# Altium PCB ECSE478 - DAQ Device.PcbDoc (part 2 of 4)
Units mil, origin at the board's own origin, x right, y up, seen from the top; angles counter-clockwise.
Board outline 8325 x 4500 mil, 4 copper layers (L1 (Sig), L2 (GND), L3 (GND), L4 (Sig)), stack 23.756 mil thick; 560 components, 359 nets, 1613 pads, 965 vias.
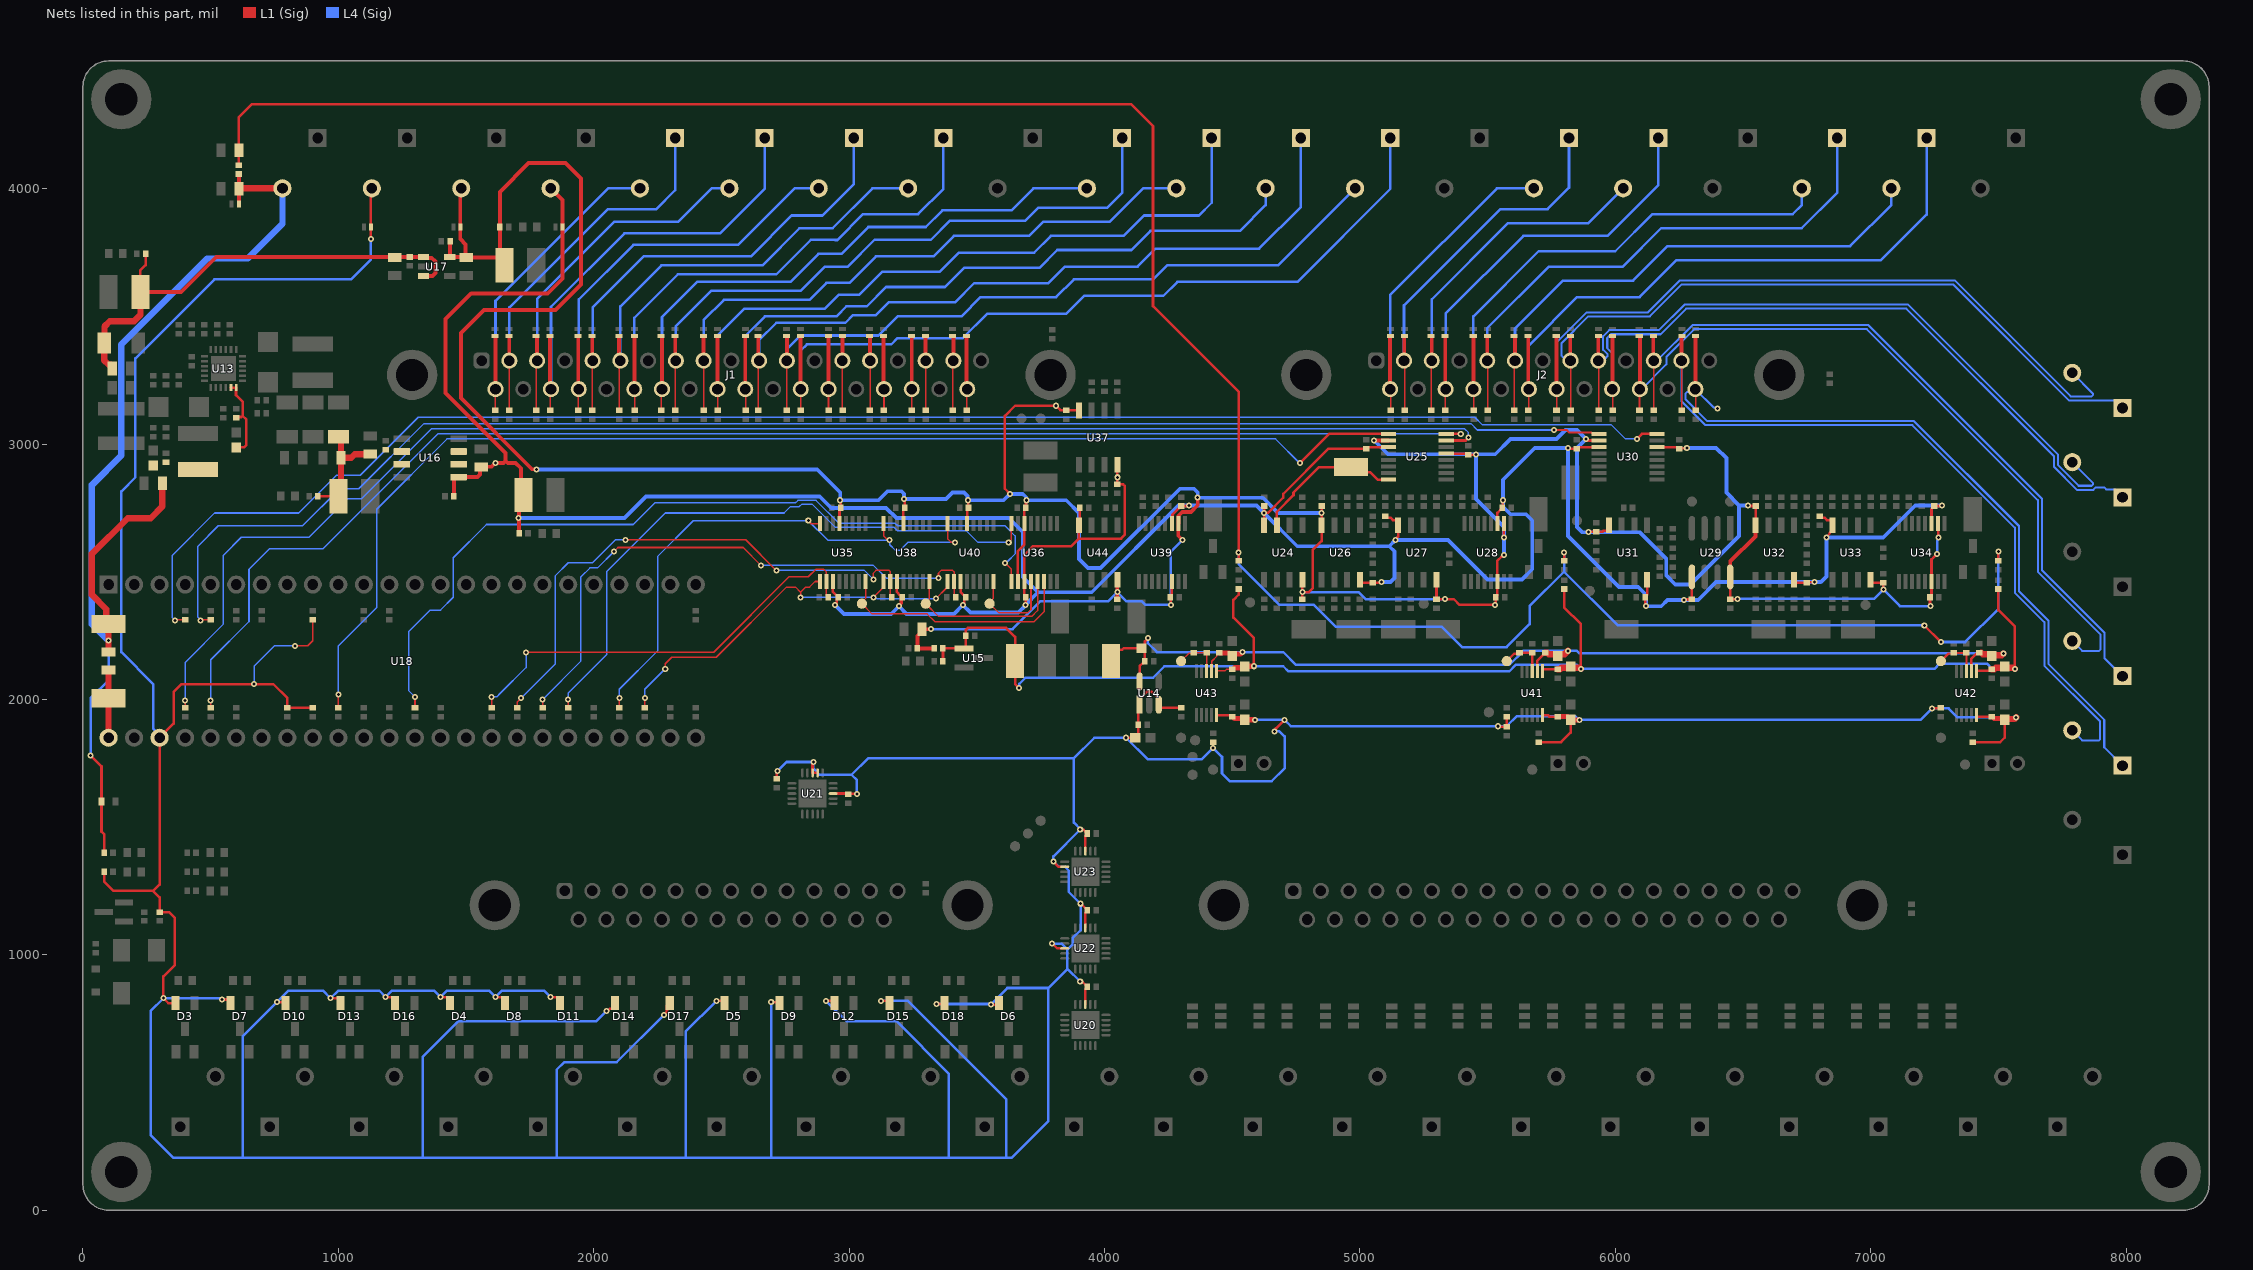
[diagram p4: the nets of this part, all layers, seen from the top]

## Part data
C1 C2 C3 C4 C5 C6 C7 C8 C9 C10 C11 C12 C13 C14 C15 C16 C17 C18 C19 C20 C21 C22 C23 C24 C25 C26 C27 C28 C29 C30 C31 C32 C33 C34 C35 C36 C37 C38 C39 C40 C41 C42 C43 C44 C45 C46 C47 C48 C49 C50 C51 C52 C53 C54 C55 C56 C57 C58 C59 C60 C61 C62 C63 C64 C65 C66 C67 C68 C69 C70 C71 C72 C73 C74 C75 C76 C77 C78 C79 C80 C81 C82 C83 C84 C85 C86 C87 C88 C89 C90 C91 C92 C93 C94 C95 C96 C97 C98 C99 C100 C101 C102 C103 C104 C105 C106 C107 C108 C109 C110 C111 C112 C113 C114: library part Cap, "Capacitor", LatestRevisionDate=17-Jul-2002, LatestRevisionNote="Re-released for DXP Platform.", PackageDescription="Radial Cap, Thru-Hole; 2 Leads; 0.3 in Pin Spacing", PackageReference=RAD-0.3, Published=8-Jun-2000, Publisher="Altium Limited"
D1 D2: library part "Schottky Diode", "Generic Schottky Diode"
D3 D4 D5 D6 D7 D8 D9 D10 D11 D12 D13 D14 D15 D16 D17 D18 D26 D27 D28: library part "Schottky Diode Array BAT54S", "Rectifier Diode Small Signal Schottky 40V 0.3A 5ns 3-Pin SOT-23 T/R", Average Rectified Current=300mA, Case/Package=SOT-23, Forward Voltage=900mV, Manufacturer=STMicroelectronics, Manufacturer Part Number=BAT54SFILM, Max Forward Surge Current (Ifsm)=1A, Max Operating Temperature=150°C, Max Repetitive Reverse Voltage (Vrrm)=40V, Max Reverse Current=100uA, Max Reverse Leakage Current=1uA, Min Operating Temperature=-40°C, Package Quantity=3000, Supplier Part Number 1=497-2522-1-ND, Voltage Rating (DC)=30V, Category="Rectifier Diodes", ComponentLink1Description=https://datasheet.ciiva.com/1200/1689724-1200683.pdf?src-supplier=Farnell, ComponentLink1URL=https://datasheet.ciiva.com/1200/1689724-1200683.pdf?src-supplier=Farnell, ComponentLink2Description=https://datasheet.ciiva.com/1177/1689724-1177974.pdf?src-supplier=Element14, ComponentLink2URL=https://datasheet.ciiva.com/1177/1689724-1177974.pdf?src-supplier=Element14, ComponentLink3Description=https://datasheet.ciiva.com/1200/cd00001322-1200682.pdf?src-supplier=Farnell, ComponentLink3URL=https://datasheet.ciiva.com/1200/cd00001322-1200682.pdf?src-supplier=Farnell, ComponentLink4Description=https://datasheet.ciiva.com/14168/cd00001322-14168028.pdf?src-supplier=Distrelec, ComponentLink4URL=https://datasheet.ciiva.com/14168/cd00001322-14168028.pdf?src-supplier=Distrelec, ComponentLink5Description=https://datasheet.ciiva.com/905/cd00001322-905882.pdf?src-supplier=Digi-Key, ComponentLink5URL=https://datasheet.ciiva.com/905/cd00001322-905882.pdf?src-supplier=Digi-Key, ComponentLink6Description=https://datasheet.ciiva.com/905/cd00001322-905881.pdf?src-supplier=Digi-Key, ComponentLink6URL=https://datasheet.ciiva.com/905/cd00001322-905881.pdf?src-supplier=Digi-Key, ComponentLink7Description=https://datasheet.ciiva.com/905/cd00001322-905883.pdf?src-supplier=Digi-Key, ComponentLink7URL=https://datasheet.ciiva.com/905/cd00001322-905883.pdf?src-supplier=Digi-Key, ComponentLink8Description=https://datasheet.ciiva.com/1177/1689724-1177973.pdf?src-supplier=Element14, ComponentLink8URL=https://datasheet.ciiva.com/1177/1689724-1177973.pdf?src-supplier=Element14, Current Rating=300mA, Element Configuration=Single, Forward Current=300mA, Height=0.95mm, Lead Free="Lead Free", Length=2.9mm, Max Reverse Voltage (DC)=40V, Max Surge Current=1A, Mount="Surface Mount", Number of Pins=3, Packaging="Tape and Reel", Peak Non-Repetitive Surge Current=1A, Pricing 1="1=0.34000, 10=0.27800, 100=0.14730, 500=0.09694, 1000=0.06592 (USD)", Radiation Hardening=No, REACH SVHC="No SVHC", Recovery Time=5ns, Reverse Recovery Time=5ns, RoHS=Yes, RoHS Compliant=Yes, Stock 1=2760, Supplier 1=Digi-Key, Termination=SMD/SMT, Weight=0.1lb, Width=3.05mm
D19 D20 D21 D22 D23 D25 D30 D31 D32: "Generic Green LED"
D24: "Generic Red LED"
D29: library part "Diode Schottky", "Generic Schottky Diode"
D33 D34 D35 D36 D37 D38 D39 D40 D41 D42 D43 D44 D45 D46 D47 D48 D49 D50 D51 D52 D53 D54 D55 D56 D57 D58 D59 D60 D61 D62 D63 D64 D65 D66 D67 D68 D69 D70 D71 D72 D73 D74 D75 D76: library part "Diode Zener Bidirectional", "Bidirectional Zener diode"
F1: library part "Fuse Thermal", "Thermal Fuse", LatestRevisionDate=17-Jul-2002, LatestRevisionNote="Re-released for DXP Platform.", PackageDescription="Thru-Hole; 2 Leads", PackageReference=PIN-W2/E2.8, Published=24-Mar-1999, Publisher="Altium Limited"
H1 H2 H3 H4: library part Hole
J1 J3: library part "Connector DB37 (LD37S24A4GV00LF)", "DB37 LD37S24A4GV00LF (Amphenol ICC)"
J2 J4: library part "Connector DB25 (LD25S24A4GV00LF)", "DB25 LD25S24A4GV00LF (Amphenol ICC)"
L1 L2: library part Inductor, "4.7uH  BWVS005050404R7M00", Code_IEC=1005, Code_JEITA=0402, LatestRevisionDate=29-May-2009, LatestRevisionNote="IPC-7351 Footprint Added.", PackageDescription="Chip Inductor", PackageReference=0402-A, Published=8-Jun-2000, Publisher="Altium Limited"
LS1: library part "Buzzer HNB09A05", "CMT-9648-85T / Magnetic buzzer"
P1 P2 P3 P4 P5 P6 P7 P8 P9 P10 P11 P12 P13 P14 P15 P16 P17 P18 P19 P20 P21 P22 P23 P24 P25 P26 P27 P28 P29 P30 P31 P32 P33 P34 P35 P36 P37 P38 P39 P40 P41 P42 P43 P44 P45 P46 P47 P48 P49 P50 P51: library part "Header 2", "Header, 2-Pin", LatestRevisionDate=17-Jul-2002, LatestRevisionNote="Re-released for DXP Platform.", Publisher="Altium Limited"
R1 R2 R3 R4 R5 R6 R7 R8 R9 R10 R11 R12 R13 R14 R15 R16 R17 R18 R19 R20 R21 R54 R55 R56 R57 R58 R59 R60 R61 R62 R63 R64 R65 R66 R67 R68 R69 R70 R71 R72 R73 R74 R75 R76 R77 R78 R79 R80 R81 R82 R83 R84 R85 R86 R87 R88 R89 R90 R91 R92 R93 R94 R95 R96 R97 R98 R99 R100 R101 R102 R103 R104 R105 R106 R107 R108 R109 R110 R111 R112 R113 R114 R115 R116 R117 R118 R119 R120 R121 R122 R123 R125 R126 R127 R128 R129 R130 R131 R132 R133 R134 R135 R136 R137 R138 R139 R140 R141 R142 R143 R144 R145 R146 R147 R148 R149 R150 R151 R152 R153 R154 R155 R156 R157 R158 R159 R160 R161 R162 R163 R164 R165 R166 R167 R168 R169 R170 R171 R172 R173 R174 R175 R176 R177 R178 R179 R180 R181 R182 R183 R184 R185 R186 R187 R188 R189 R190 R191 R192 R193 R194 R195 R196 R197 R198 R199 R200 R201 R202 R203 R204 R205: library part Res1, "Resistor", LatestRevisionDate=17-Jul-2002, LatestRevisionNote="Re-released for DXP Platform.", PackageDescription="Axial Device, Thru-Hole; 2 Leads; 0.3 in Pin Spacing", PackageReference=AXIAL-0.3, Published=8-Jun-2000, Publisher="Altium Limited"
R22 R23 R24 R25 R26 R27 R28 R29 R30 R31 R32 R33 R34 R35 R36 R37 R38 R39 R40 R41 R42 R43 R44 R45 R46 R47 R48 R49 R50 R51 R52 R53: library part Res1, LatestRevisionDate=17-Jul-2002, LatestRevisionNote="Re-released for DXP Platform.", PackageDescription="Axial Device, Thru-Hole; 2 Leads; 0.3 in Pin Spacing", PackageReference=AXIAL-0.3, Published=8-Jun-2000, Publisher="Altium Limited"
R124: library part Resistor, "Generic resistor", Tolerance=1%
TP1 TP2 TP3 TP4 TP7 TP8 TP10 TP11 TP15 TP16 TP18 TP19 TP24 TP25 TP26 TP28 TP31 TP33 TP34 TP35 TP36 TP37 TP39 TP42 TP43 TP44 TP51 TP53 TP54 TP55 TP58: "Keystone 5015 Test point"
TP5 TP6 TP9 TP12 TP13 TP14 TP17 TP20 TP21 TP22 TP23 TP27 TP29 TP30 TP32 TP38 TP40 TP41 TP45 TP46 TP47 TP48 TP49 TP50 TP52 TP56 TP57: "SMD Pad test point"
U1 U2 U3 U4 U5 U6 U7 U8 U9 U10 U11 U12: library part "Relay Driver Dual NUD3160DMT1G", "IC INDCT LOAD DRVR INDUST SC74-6", Case/Package=SC, Continuous Drain Current (ID)=150mA, Current Rating=263mA, Drain To Source Breakdown Voltage=60V, Drain To Source Resistance=1.8R, Gate to Source Voltage (Vgs)=12V, Manufacturer="ON Semiconductor", Max Operating Temperature=125°C, Min Operating Temperature=-40°C, On-State Resistance=3.7R, Output Current=200mA, Output Voltage=61V, Package Quantity=3000, Power Dissipation=380mW, Category="Hot Swap Controllers", ComponentLink1Description=https://datasheet.ciiva.com/1955/nud3160-d-1955024.pdf?src-supplier=Digi-Key, ComponentLink1URL=https://datasheet.ciiva.com/1955/nud3160-d-1955024.pdf?src-supplier=Digi-Key, ComponentLink2Description=https://datasheet.ciiva.com/1609/1786838-1609180.pdf?src-supplier=Newark, ComponentLink2URL=https://datasheet.ciiva.com/1609/1786838-1609180.pdf?src-supplier=Newark, ComponentLink3Description=https://datasheet.ciiva.com/8114/nud3160-d-8114970.pdf?src-supplier=Avnet, ComponentLink3URL=https://datasheet.ciiva.com/8114/nud3160-d-8114970.pdf?src-supplier=Avnet, ComponentLink4Description=https://datasheet.ciiva.com/11168/nud3160-d-11168234.pdf?src-supplier=Avnet, ComponentLink4URL=https://datasheet.ciiva.com/11168/nud3160-d-11168234.pdf?src-supplier=Avnet, ComponentLink5Description=https://datasheet.ciiva.com/1955/nud3160-d-1955025.pdf?src-supplier=Digi-Key, ComponentLink5URL=https://datasheet.ciiva.com/1955/nud3160-d-1955025.pdf?src-supplier=Digi-Key, ComponentLink6Description=https://datasheet.ciiva.com/1955/nud3160-d-1955026.pdf?src-supplier=Digi-Key, ComponentLink6URL=https://datasheet.ciiva.com/1955/nud3160-d-1955026.pdf?src-supplier=Digi-Key, Contact Plating=Tin,Matte, Drain to Source Voltage (Vdss)=60V, Element Configuration=Dual, Fall Time=600ns, Halogen Free="Halogen Free", Height=0.94mm, Interface=On/Off, Lead Free="Lead Free", Length=3mm, Manufacturer Part Number=NUD3160DMT1G, Max Output Current=150mA, Max Supply Voltage=60V, Mount="Surface Mount", Number of Elements=2, Number of Outputs=2, Number of Pins=6, Output Configuration="Low Side", Packaging="Tape and Reel", Pricing 1="1=0.44430, 10=0.32460, 25=0.32120 (USD)", Radiation Hardening=No, REACH SVHC="No SVHC", Rise Time=600ns, RoHS=Yes, RoHS Compliant=Yes, Stock 1=33, Supplier 1="Arrow Electronics", Supplier Part Number 1=NUD3160DMT1G, Width=1.5mm
U13: library part "Dual Boost TPS65131RGER", "IC REG BUCK BST INV ADJ DL 24QFN", Case/Package="VQFN EP", Manufacturer="Texas Instruments", Max Input Voltage=5.5V, Max Operating Temperature=85°C, Max Output Voltage=15V, Min Input Voltage=2.7V, Min Operating Temperature=-40°C, Min Output Voltage=-15V, Output Current=1.95A, Package Quantity=3000, Quiescent Current=500uA, Supplier Part Number 1=296-41760-1-ND, Switching Frequency=1.4MHz, Category="Voltage Regulators - Switching", ComponentLink1Description=https://datasheet.ciiva.com/4119/40762122s8213930n7713-4119696.pdf?src-supplier=Arrow+Electronics, ComponentLink1URL=https://datasheet.ciiva.com/4119/40762122s8213930n7713-4119696.pdf?src-supplier=Arrow+Electronics, ComponentLink2Description=https://datasheet.ciiva.com/14378/tps65130-14378346.pdf?src-supplier=Avnet, ComponentLink2URL=https://datasheet.ciiva.com/14378/tps65130-14378346.pdf?src-supplier=Avnet, ComponentLink3Description=https://datasheet.ciiva.com/15223/getdatasheetpartid-254483-15223079.pdf?src-supplier=Verical, ComponentLink3URL=https://datasheet.ciiva.com/15223/getdatasheetpartid-254483-15223079.pdf?src-supplier=Verical, ComponentLink4Description=https://datasheet.ciiva.com/2035/tps65130-2035332.pdf?src-supplier=Digi-Key, ComponentLink4URL=https://datasheet.ciiva.com/2035/tps65130-2035332.pdf?src-supplier=Digi-Key, Efficiency=85%, Lead Free="Lead Free", Manufacturer Part Number=TPS65131RGER, Number of Outputs=2, Number of Pins=24, Operating Supply Voltage=5.5V, Output Type=Adjustable, Output Voltage=15V, Packaging="Tape and Reel", Pricing 1="1=3.00000, 10=2.69400, 25=2.54720, 100=2.20760, 250=2.09436, 500=1.87926, 1000=1.70880 (USD)", Radiation Hardening=No, RoHS=Yes, RoHS Compliant=Yes, Series=-, Stock 1=7644, Supplier 1=Digi-Key, Synchronous Rectifier=No, Topology=Buck-Boost, Weight=0.001524oz
U14: library part CMP-04917-000111-2, "None", Case/Package=SOT-23-5, Dropout Voltage=695mV, Max Input Voltage=5.5V, Max Operating Temperature=125°C, Max Supply Current=75uA, Min Operating Temperature=-40°C, Min Output Voltage=1.8V, Output Current=150mA, Power Supply Rejection Ratio (PSRR)=55dB, Quiescent Current=50uA, Mount="Surface Mount", Number of Regulators=1, Output Configuration=Positive, Output Type=Fixed, Packaging="Cut Tape", RoHS Compliant=Yes
U15: library part CMP-0784-00426-1, "Precision Micropower Shunt Mode Voltage Reference, 5 V Output, Industrial, 3-pin SOT23 (RT-3), Reel", Manufacturer="Analog Devices", Operating Temp Range="-40 to 125 degC", Code_JEDEC=TO-236-AB, ComponentLink1Description="Manufacturer URL", ComponentLink1URL=http://www.analog.com/en/index.html, ComponentLink2Description=Datasheet, ComponentLink2URL=http://www.analog.com/static/imported-files/data_sheets/ADR5040_5041_5043_5044_5045.pdf, ComponentLink3Description="Package Specification", ComponentLink3URL="http:/www.analog.com/static/imported-files/packages/PKG_PDF/SOT-23-3 (RT)/RT_3.pdf", ComponentLink4Description="URL Link1", ComponentLink4URL="Product URL:http://www.analog.com/en/special-linear-functions/voltage-references/adr5045/products/product.html", DatasheetVersion="Rev. B", Mounting Technology="Surface Mount", PackageDescription="3-Pin Small Outline Transistor Package, Body 2.9 x 1.3 mm, Pitch 0.96 mm", PackageReference=RT-3, PackageVersion="011909-C, 02/2009", Packing=Reel, PartNumber=ADR5045BRTZ-REEL7, Ref Out TC (ppm/C)=10, Vout=5V
U16: library part CMP-0324-00120-3, "Fixed Regulator with -14.5 to -27 V Input and -12 V Output, 0 to 125 degC, 8-Pin SOIC (D), Green (RoHS & no Sb/Br)", Manufacturer="Texas Instruments", Code_JEDEC=MS-012AA, ComponentLink1Description=Datasheet, ComponentLink1URL=http://www.ti.com/general/docs/lit/getliterature.tsp?genericPartNumber=MC79L12A&fileType=pdf, ComponentLink2Description="Package Specification", ComponentLink2URL=http://www.ti.com/litv/pdf/msoi002j, ComponentLink3Description="URL Link1", ComponentLink3URL="Samples URL:http://www.ti.com/product/mc79l12a#samples", DatasheetVersion=SLVS011D, Eco-Plan="Green (RoHS & no Sb/Br)", Iout(Max)(A)=0.1, Iq(Typ)(mA)=6.5, Mounting Technology="Surface Mount", PackageDescription="8-Pin Plastic Small Outline Integrated Circuit, 4.9 x 3.9 mm, Pitch 1.27 mm Pitch", PackageReference=D0008A, PackageVersion="revM, Jun-2011", PartNumber=MC79L12ACDR, Vin(Max)(V)=-27, Vin(Min)(V)=-14.5, Vout(Max)(V)=-12, Vout(Min)(V)=-12
U17: library part "VREG Linear LDK320AM120R", "200 mA low quiescent current and high PSRR voltage regulator", Manufacturer=STMicroelectronics, Supplier Part Number 1=84AC1852, ComponentLink1Description=https://www.st.com/resource/en/datasheet/ldk320.pdf?src-supplier=Digi-Key, ComponentLink1URL=https://www.st.com/resource/en/datasheet/ldk320.pdf?src-supplier=Digi-Key, Manufacturer Part Number=LDK320AM120R, Pricing 1="1=0.95600, 10=0.85600, 25=0.81200, 50=0.73900, 100=0.66700, 250=0.62400, 500=0.55100, 1000=0.43800 (USD)", RoHS=Yes, RoHS Compliant=Yes, Stock 1=5882, Supplier 1=Newark
U18: "Teensy 4.1 breakout (no ethernet or USB host pins exposed)"
U19: library part CMP-0192-00220-1, "Low-Power Linear Active Thermistor IC, 3-Pin SOT-23, Extended Temperature, Tape and Reel", Code_IPC=SOT23-3, DatasheetVersion="revE, Apr-2009", PackageDescription="3-Lead Plastic Small Outline Transistor (TT) [SOT-23]", PackageReference=SOT-23-TT3, PackageVersion="revBB, Aug-2009"
U20 U21 U22 U23: library part CMP-0186-00018-2, "8-Bit I/O Expander with Serial Interface, 20-Pin QFN, Extended Temperature", ComponentLink1Description="Manufacturer URL", ComponentLink1URL=http://www.microchip.com/, ComponentLink2Description=Datasheet, ComponentLink2URL=http://ww1.microchip.com/downloads/en/DeviceDoc/21919e.pdf, ComponentLink3Description="Package Specification", ComponentLink3URL=http://www.microchip.com/stellent/groups/techpub_sg/documents/packagingspec/en012702.pdf, DatasheetVersion="revE, Aug-2007", PackageDescription="20-Lead Plastic Quad Flat, No Lead Package (ML) - 4x4x0.9 mm Body [QFN]", PackageReference=QFN-ML20, PackageVersion="revBB, Aug-2009", RevisionNote="URLs added."
U24 U26 U27 U31 U32 U33 U37 U44: library part "OP AMP RC4580", "2-channel, 12-MHz, low-noise, low-distortion audio op amp with high output current 8-SOIC -40 to 85", Case/Package=D, Dual Supply Voltage=9V, Input Bias Current=500nA, Input Offset Voltage (Vos)=3mV, Manufacturer="Texas Instruments", Manufacturer Part Number=RC4580IDR, Max Dual Supply Voltage=16V, Max Operating Temperature=85°C, Max Supply Voltage=32V, Min Dual Supply Voltage=2V, Min Operating Temperature=-40°C, Min Supply Voltage=4V, Nominal Supply Current=4.5mA, Operating Supply Current=6mA, Output Current per Channel=50mA, Package Quantity=1, Supplier Part Number 1=296-15367-1-ND, Voltage Gain=110dB, Bandwidth=12MHz, Category="Amplifiers - Op Amps, Buffer, Instrumentation", Common Mode Rejection Ratio=80dB, ComponentLink1Description=https://datasheet.ciiva.com/23806/1716592-23806563.pdf?src-supplier=Newark, ComponentLink1URL=https://datasheet.ciiva.com/23806/1716592-23806563.pdf?src-supplier=Newark, ComponentLink2Description=https://datasheet.ciiva.com/22654/1882301-22654837.pdf?src-supplier=Element14, ComponentLink2URL=https://datasheet.ciiva.com/22654/1882301-22654837.pdf?src-supplier=Element14, ComponentLink3Description=https://datasheet.ciiva.com/46382/1840282-46382300.pdf?src-supplier=Element14, ComponentLink3URL=https://datasheet.ciiva.com/46382/1840282-46382300.pdf?src-supplier=Element14, ComponentLink4Description=https://datasheet.ciiva.com/1796/rc4580-1796261.pdf?src-supplier=Digi-Key, ComponentLink4URL=https://datasheet.ciiva.com/1796/rc4580-1796261.pdf?src-supplier=Digi-Key, ComponentLink5Description=https://datasheet.ciiva.com/1796/rc4580-1796260.pdf?src-supplier=Digi-Key, ComponentLink5URL=https://datasheet.ciiva.com/1796/rc4580-1796260.pdf?src-supplier=Digi-Key, ComponentLink6Description=https://datasheet.ciiva.com/1796/rc4580-1796262.pdf?src-supplier=Digi-Key, ComponentLink6URL=https://datasheet.ciiva.com/1796/rc4580-1796262.pdf?src-supplier=Digi-Key, Contact Plating=Gold, Gain Bandwidth Product=12MHz, Lead Free="Lead Free", Load Impedance=2kR, Max I/O Voltage=3mV, Nominal Gain Bandwidth Product=12MHz, Number of Channels=2, Number of Circuits=2, Number of Elements=2, Number of Pins=8, Packaging="Tape and Reel", Pricing 1="1=0.46000, 10=0.37400, 25=0.34200, 100=0.25460, 250=0.23072, 500=0.19092, 1000=0.14320 (USD)", Radiation Hardening=No, Reach SVHC Compliant="No SVHC", RoHS=Yes, RoHS Compliant=Yes, Series=-, Slew Rate=5V/µs, Stock 1=3503, Supplier 1=Digi-Key, Supply Current=4.5mA, Technology=BIPOLAR, Unity Gain Bandwidth Product=12MHz, Weight=0.002561oz
U25 U35 U38 U40: library part "Analog Mux DG408DQ-T1-E3", "DG408DQ-T1-E3; Multiplexer Single 8: 1; 15 V; 18 V; 24 V; 28 V; 16-Pin TSSOP", Case/Package=TSSOP, Dual Supply Voltage=15V, High Level Output Current=30mA, Manufacturer="Vishay Siliconix", Max Dual Supply Voltage=20V, Max Operating Temperature=85°C, Max Power Dissipation=600mW, Max Supply Current=500uA, Max Supply Voltage=44V, Min Dual Supply Voltage=5V, Min Operating Temperature=-40°C, Min Supply Voltage=13V, Nominal Supply Current=10uA, On-State Resistance=90R, Operating Supply Current=1uA, Operating Supply Voltage=36V, Package Quantity=1, Supplier Part Number 1=2509481281, Category="Decoders and Multiplexers", ComponentLink1Description=https://datasheet.ciiva.com/15127/getdatasheetpartid-99309-15127097.pdf?src-supplier=Verical, ComponentLink1URL=https://datasheet.ciiva.com/15127/getdatasheetpartid-99309-15127097.pdf?src-supplier=Verical, ComponentLink2Description=https://datasheet.ciiva.com/11499/dg408-11499135.pdf?src-supplier=Avnet, ComponentLink2URL=https://datasheet.ciiva.com/11499/dg408-11499135.pdf?src-supplier=Avnet, ComponentLink3Description=https://datasheet.ciiva.com/1666/dg408-1666717.pdf?src-supplier=Digi-Key, ComponentLink3URL=https://datasheet.ciiva.com/1666/dg408-1666717.pdf?src-supplier=Digi-Key, ComponentLink4Description=https://datasheet.ciiva.com/1666/dg408-1666718.pdf?src-supplier=Digi-Key, ComponentLink4URL=https://datasheet.ciiva.com/1666/dg408-1666718.pdf?src-supplier=Digi-Key, ComponentLink5Description=https://datasheet.ciiva.com/1666/dg408-1666719.pdf?src-supplier=Digi-Key, ComponentLink5URL=https://datasheet.ciiva.com/1666/dg408-1666719.pdf?src-supplier=Digi-Key, Contact Plating=Tin,Matte, Height=0.92mm, Lead Free="Lead Free", Length=5.07mm, Logic Function=Multiplexer, Manufacturer Part Number=DG408DQ-T1-E3, Mount="Surface Mount", Number of Channels=8, Number of Circuits=1, Number of Inputs=8, Number of Outputs=1, Number of Pins=16, Packaging="Tape and Reel", Power Dissipation=600mW, Pricing 1="5=2.69000, 50=2.02000, 250=1.57000 (GBP)", Propagation Delay=160ns, Radiation Hardening=No, Reach SVHC Compliant=Unknown, RoHS=Yes, RoHS Compliant=Yes, Series=-, Stock 1=2985, Supplier 1=RSComponents, Supply Current=10uA, Supply Type=Single,Dual, Turn-Off Delay Time=150ns, Turn-On Delay Time=150ns, Weight=0.006102oz, Width=4.4mm
U28 U30 U34 U36 U39: library part "Analog Mux DG409DQ-E3", "DG409 Series 20 V 8-Ch/Dual 4-Ch High-Performance CMOS Analog Multiplexer", Case/Package=TSSOP, Dual Supply Voltage=15V, Manufacturer="Vishay Siliconix", Max Dual Supply Voltage=20V, Max Operating Temperature=85°C, Max Power Dissipation=600mW, Max Supply Current=500uA, Max Supply Voltage=44V, Min Dual Supply Voltage=5V, Min Operating Temperature=-40°C, Min Supply Voltage=13V, On-State Resistance=90R, Operating Supply Current=1uA, Operating Supply Voltage=36V, Package Quantity=360, Supplier Part Number 1=78-DG409DQ-E3, Category="Decoders and Multiplexers", ComponentLink1Description=https://datasheet.ciiva.com/1677/dg408-1677556.pdf?src-supplier=Digi-Key, ComponentLink1URL=https://datasheet.ciiva.com/1677/dg408-1677556.pdf?src-supplier=Digi-Key, ComponentLink2Description=https://datasheet.ciiva.com/2978/dg408-2978747.pdf?src-supplier=Avnet, ComponentLink2URL=https://datasheet.ciiva.com/2978/dg408-2978747.pdf?src-supplier=Avnet, Height=0.92mm, Lead Free="Lead Free", Length=5.07mm, Logic Function=Multiplexer, Manufacturer Part Number=DG409DQ-E3, Mount="Surface Mount", Number of Channels=4, Number of Inputs=8, Number of Outputs=2, Number of Pins=16, Packaging=Rail/Tube, Power Dissipation=600mW, Pricing 1="1=4.36000, 10=3.91000, 50=3.70000, 100=3.20000, 1000=2.73000, 10000=2.40000 (USD)", Propagation Delay=160ns, Radiation Hardening=No, RoHS=Yes, RoHS Compliant=Yes, Series=-, Stock 1=4584, Supplier 1=Mouser, Supply Type=Dual,Single, Turn-Off Delay Time=150ns, Turn-On Delay Time=150ns, Weight=0.006102oz, Width=4.4mm
U29: library part CMP-04895-000157-1, "IC INST AMP 1 CIRCUIT 8SOIC", RoHS Compliant=Yes
U41 U42 U43: library part "ADC MCP33151", "ADC 14-bit SAR 1Msps 10-MSOP", Manufacturer=Microchip, Category="Analog to Digital Converters (ADCs)", Manufacturer Part Number=MCP33151-10-E/MS, Pricing 1="1=2.20600 (USD)", RoHS=No, Stock 1=90, Supplier 1="Arrow Electronics", Supplier Part Number 1=MCP33151-10-E/MS

## Via types
v1: diameter 23.62, hole 11.81, L1 (Sig) to L4 (Sig), tented both sides, 944 vias
v2: diameter 19.68, hole 7.87, L1 (Sig) to L4 (Sig), tented bottom, 16 vias
v3: diameter 23.62/27/27/27 (per signal layer), hole 11.81, L1 (Sig) to L4 (Sig), tented both sides, 3 vias
v4: diameter 23.62/23.62/23.62/27 (per signal layer), hole 11.81, L1 (Sig) to L4 (Sig), tented both sides, 2 vias

## Nets (pads, with @x,y where several pads share a name; then routed paths per layer and width w, separated by ;. In a path a pad name is that pad's centre, name@x,y a point inside that pad or via, vN(x,y) a via of type N, cw(c..) or ccw(c..) an arc to the next point about the centre after c; other vN are vias at no path point)
+1V8_A: C16.2 C17.2 C91.2 C96.2 C101.2 C108.2 C109.2 C110.2 TP16.1 U14.5 U41.2 U42.2 U43.2 | length 4341.8
  L1 (Sig) w6: U43.2@4419.69,2111.61 4419.69,2149.69 4440.2,2170.2 4440.2,2174.67 4448.03,2182.5 C110.2@4450,2182.5
  L1 (Sig) w10: TP16.1@4025,2150 4025,2164.14 4055.43,2194.58 4069.58,2194.58 4075,2200 C17.2@4145.47,2200 ; U14.5@4137.6,2070.29 4137.6,2130.1 4149.7,2142.2 4151.67,2142.2 4157.5,2148.03 C16.2@4157.5,2150 4157.5,2187.97 C17.2@4145.47,2200 ; v1(4170,2240) 4170,2239.59 4157.74,2227.33 4157.74,2212.27 C17.2@4145.47,2200 ; U41.2@5694.69,2111.61 5694.69,2152.19 5717.2,2174.7 5717.2,2176.67 5723.03,2182.5 C96.2@5725,2182.5 ; U42.2@7394.69,2111.61 7394.69,2159.69 7417.2,2182.2 C108.2@7433.61,2182.2
  L1 (Sig) w20: C110.2@4450,2182.5 4487.97,2182.5 4490.31,2180.16 4491.3,2180.16 4500,2171.46 C109.2@4500,2170.47 4507.67,2178.14 4533.14,2178.14 v1(4540,2185)
  L1 (Sig) w25: C96.2@5725,2182.5 5725.3,2182.2 5733.61,2182.2 5739.46,2176.35 5769.12,2176.35 C91.2@5775,2170.47 5775,2171.46 5781.2,2177.66 5802.66,2177.66 v1(5815,2190) ; C108.2@7433.61,2182.2 7439.46,2176.35 7469.12,2176.35 C101.2@7475,2170.47 7477.97,2173.45 7513.45,2173.45 v1(7520,2180)
  L4 (Sig) w10: v1(4170,2240) 4170,2220 4205,2185 v1(4540,2185) 4700,2185 4750,2135 5585,2135 5640,2190 v1(5815,2190) 5850,2190 5860,2180 v1(7520,2180)
+3V3: C14.2 C15.2 C35.2 C36.2 C37.2 C38.2 C94.2 C95.2 C99.2 C100.2 C104.2 C105.2 D3.2 D4.2 D5.2 D6.2 D7.2 D8.2 D9.2 D10.2 D11.2 D12.2 D13.2 D14.2 D15.2 D16.2 D17.2 D18.2 D36.2 P8.2 R19.1 R20.1 R21.1 R58.2 R61.1 R118.2 R119.2 R120.2 R121.2 R122.2 R123.2 R141.2 R190.1 U14.1 U14.3 U18.46 U20.18 U21.2 U21.3 U21.18 U22.3 U22.18 U23.2 U23.18 U41.10 U42.10 U43.10 | length 27475.7
  L1 (Sig) w6: v1(830,2210) 880,2210 900,2230 R190.1@900,2312.5
  L1 (Sig) w10: R58.2@82.5,1325 82.5,1287.5 120,1250 275,1250 ; D3.2@362.6,811.18 333.82,811.18 v1(315,830) 315,915 360,960 360,1145 337.5,1167.5 R21.1@300,1167.5 300,1225 275,1250 ; v1(545,825) 566.85,825 577.6,814.25 D7.2@577.6,811.18 ; v1(760,815) 788.78,815 D10.2@792.6,811.18 ; R20.1@900,1967.5 R19.1@800,1967.5 800,2005 745,2060 v1(670,2060) 385,2060 355,2030 355,1905 U18.46@300,1850 300,1275 275,1250 ; v1(970,830) 996.85,830 1007.6,819.25 D13.2@1007.6,811.18 ; v1(1127.56,3802.56) D36.2@1127.56,3850 1127.56,3998.03 P8.2@1131.1,4001.57 ; v1(1185,835) 1186.56,833.44 1211.85,833.44 1222.6,822.69 D16.2@1222.6,811.18 ; v1(1400,835) 1401.56,833.44 1426.85,833.44 1437.6,822.69 D4.2@1437.6,811.18 ; v1(1615,835) 1616.56,833.44 1641.85,833.44 1652.6,822.69 D8.2@1652.6,811.18 ; v1(1830,835) 1831.56,833.44 1856.85,833.44 1867.6,822.69 D11.2@1867.6,811.18 ; v1(2050,780) 2053.69,780 2062.31,788.62 2071.85,788.62 2082.6,799.37 D14.2@2082.6,811.18 ; v1(2275,765) 2275,765.82 2286.85,777.67 2286.85,800.43 D17.2@2297.6,811.18 ; v1(2480,820) 2503.78,820 D5.2@2512.6,811.18 ; v1(2695,815) 2723.78,815 D9.2@2727.6,811.18 ; R61.1@2716.65,1689.15 2716.65,1716.65 v1(2720,1720) ; v1(2860,1755) 2856.65,1751.65 U21.3@2856.65,1712.36 U21.2@2876.34,1712.36 ; v1(2910,820) 2933.78,820 D12.2@2942.6,811.18 ; U21.18@2937.36,1631.65 2994.15,1631.65 C36.2@2996.65,1629.15 2997.5,1630 v1(3030,1630) ; v1(3125,820) 3148.78,820 D15.2@3157.6,811.18 ; v1(3342.61,807.39) 3368.81,807.39 D18.2@3372.6,811.18 ; v1(3555,805) 3581.42,805 D6.2@3587.6,811.18 ; v1(3795,1045) 3815,1025 U22.3@3844.29,1025 ; v1(3800,1365) 3820.31,1344.69 U23.2@3844.29,1344.69 ; v1(3905,895) 3912.5,895 3924.7,882.8 3926.67,882.8 3932.5,876.97 C35.2@3932.5,875 3932.5,873.03 3925,865.53 U20.18@3925,805.71 ; v1@3905,1200 v1(3906.25,1200) 3907.5,1200 3924.7,1182.8 3926.67,1182.8 3932.5,1176.97 C37.2@3932.5,1175 3932.5,1173.03 3925,1165.53 U22.18@3925,1105.71 ; v1(3905,1490) 3917.5,1490 3924.7,1482.8 3926.67,1482.8 3932.5,1476.97 C38.2@3932.5,1475 3932.5,1473.03 3925,1465.53 U23.18@3925,1405.71 ; v1(4085,1850) C14.2@4120.47,1850 4132.5,1862.03 C15.2@4132.5,1900 U14.1@4132.5,1974.61 ; U14.1@4137.6,1979.71 U14.1@4132.5,1974.61 ; R123.2@4300,1967.5 4218.91,1967.5 4212.4,1974.01 U14.3@4212.4,1979.71 4212.4,2002.6 4185,2030 4165,2030 4145.24,2010.24 4144.65,2010.24 4132.5,1998.09 U14.1@4132.5,1974.61 ; U43.10@4439.37,1938.39 4492.15,1938.39 4498.03,1932.5 C104.2@4500,1932.5 ; v1(4665,1875) 4665,1878.69 4671.46,1885.14 4671.46,1886.46 v1(4705,1920) ; v1(5540,1895) 5542.5,1892.5 R141.2@5575,1892.5 R118.2@5575,1932.5 ; R119.2@5700,1832.5 5787.5,1832.5 5825,1870 C95.2@5825,1920.47 ; U41.10@5714.37,1938.39 5736.61,1938.39 5742.5,1932.5 C94.2@5775,1932.5 ; v1(7240,1965) 7272.5,1965 R120.2@7275,1967.5 ; R121.2@7400,1832.5 7507.5,1832.5 7525,1850 C100.2@7525,1920.47 C100.2@7527.97,1923.45 ; U42.10@7414.37,1938.39 7414.37,1933.41 7415.28,1932.5 C99.2@7475,1932.5
  L1 (Sig) w20: C104.2@4500,1932.5 4501.97,1932.5 4508.67,1925.8 4544.68,1925.8 C105.2@4550,1920.47 4589.53,1920.47 v1@4590,1920 ; C94.2@5775,1932.5 5812.97,1932.5 5815.31,1930.16 5816.3,1930.16 5825,1921.46 C95.2@5825,1920.47 5825.24,1920.24 5859.76,1920.24 v1(5860,1920) ; C99.2@7475,1932.5 7476.97,1932.5 7483.67,1925.8 7525.62,1925.8 C100.2@7527.97,1923.45
  L1 (Sig) w25: C100.2@7527.97,1923.45 7563.45,1923.45 v1(7570,1930)
  L4 (Sig) w6: v1(670,2060) 670,2130 750,2210 v1(830,2210)
  L4 (Sig) w10: U18.46@300,1850 300,1861.29 275,1886.29 275,2060 150,2185 150,2815 205,2870 205,3335 515,3645 1049.53,3645 1127.56,3723.03 v1(1127.56,3802.56) ; v1(545,825) 541.31,825 536.31,830 v1(315,830) 265,780 265,295 355,205 625,205 ; v1(1830,835) 1805,860 1640,860 v1(1615,835) 1590,860 1425,860 v1(1400,835) 1375,860 1210,860 v1(1185,835) 1160,860 1000,860 v1(970,830) 940,860 805,860 v1(760,815) 625,680 625,205 ; v1(2050,780) 2010,740 1470,740 1330,600 1330,205 ; v1(2275,765) 2090,580 1885,580 1855,550 1855,205 ; v1(2480,820) 2360,700 2360,205 ; v1(2695,815) 2695,205 ; v1(2720,1720) 2755,1755 v1(2860,1755) 2860,1730 2885,1705 3010,1705 ; v1(2910,820) 2990,740 3185,740 3390,535 3390,205 ; v1(3030,1630) 3030,1685 3010,1705 ; v1(3125,820) 3230,820 3615,435 3615,205 ; v1(3342.61,807.39) 3552.61,807.39 v1(3555,805) 3620,870 3780,870 ; v1(3795,1045) 3796.46,1043.54 3831.46,1043.54 3855,1020 ; v1(3905,895) 3855,945 ; v1(4589.76,1920.24) 4704.76,1920.24 v1(4705,1920) 4730,1895 v1(5540,1895) 5575,1895 5615,1935 5842.33,1935 5857.33,1920 v1(5860,1920) 7195,1920 v1(7240,1965) 7305,1965 7340,1930 v1(7570,1930) ; v1(4665,1875) 4685,1875 4705,1855 4705,1730 4655,1680 4490,1680 4460,1710 4460,1775 v1(4425,1810) 4380,1765 4170,1765 v1(4085,1850) 3960,1850 3880,1770 ; 625,205 1330,205 ; 1330,205 1855,205 ; 1855,205 2360,205 ; 2360,205 2695,205 ; 2695,205 3390,205 ; 3010,1705 3075,1770 3880,1770 ; 3390,205 3615,205 ; 3615,205 3635,205 3780,350 3780,870 ; 3780,870 3855,945 ; 3855,945 3855,1020 ; 3855,1020 3875,1040 3875,1065 3906.25,1096.25 v1(3906.25,1200) 3860,1246.25 3860,1330 3845,1345 3820,1345 v1(3800,1365) 3800,1385 v1(3905,1490) 3905,1492.67 3880,1517.67 3880,1770
+5: C7.2 C8.2 C9.2 C11.2 C111.2 D35.2 F1.2 L1.1 P4.2 R6.1 R56.2 R148.1 R195.2 TP53.1 U13.5 U13.6 | length 4557.9
  L1 (Sig) w10: v1(30,1780) 72.44,1737.56 F1.2@72.44,1600 72.44,1482.56 82.5,1472.5 R56.2@82.5,1400 ; U13.5@579.53,3221.06 U13.6@599.21,3221.06 599.21,3191.65 625,3165.87 625,3110.87 ; C11.2@600,2986.81 630.94,2986.81 640,2995.87 640,3095.87 625,3110.87 ; R6.1@600,3103.37 602.5,3105.87 620,3105.87 625,3110.87
  L1 (Sig) w15: D35.2@610,3940 610,3945.91 610.43,3946.34 C111.2@610.43,4000 R148.1@610.43,4057.5
  L1 (Sig) w25: R195.2@100,2185.43 v1(100,2230) TP53.1@100,2295 91.71,2303.29 91.71,2353.29 35,2410 35,2570 175,2710 265,2710 310.43,2755.43 C7.2@310.43,2845.87 ; C111.2@610.43,4000 612.01,4001.57 P4.2@781.1,4001.57
  L4 (Sig) w10: v1(30,1780) 30,2005 100,2075 v1(100,2230)
  L4 (Sig) w25: v1(100,2230) 35,2295 35,2840 150,2955 150,3390 486.57,3726.57 645,3726.57 781.1,3862.68 P4.2@781.1,4001.57
+5_FILT: C112.2 R75.1 R103.1 R112.1 R148.2 | length 9520.1
  L1 (Sig) w10: R148.2@610.43,4092.5 C112.2@610.43,4150 610.43,4280.43 660,4330 4105,4330 4190,4245 4190,3540 4525,3205 v1(4525,2575) R112.1@4525,2542.5 ; R75.1@5800,2542.5 v1(5800,2575) ; v1(7210,2290) v1(7275,2225) ; R103.1@7500,2542.5 v1(7500,2580)
  L4 (Sig) w10: v1(4525,2575) 4525,2530 4685,2370 4820,2370 4905,2285 5320,2285 5400,2205 5575,2205 5665,2295 5665,2365 5800,2500 ; v1(5800,2575) 5800,2500 ; v1(7210,2290) 6010,2290 5800,2500 ; v1(7275,2225) 7370,2225 7500,2355 v1(7500,2580)
+5_TEENSY: R195.1 TP54.1 U18.48 | length 264.6
  L1 (Sig) w25: U18.48@100,1850 TP54.1@100,2004.57 R195.1@100,2114.57
+5V_A: C92.2 C93.2 C97.2 C98.2 C102.2 C103.2 R10.2 R11.1 R57.2 R76.1 R102.1 R111.1 TP15.1 U15.1 U41.1 U42.1 U43.1 | length 6113.7
  L1 (Sig) w6: U43.1@4439.37,2111.61 4471.61,2111.61 4477.5,2117.5 C103.2@4500,2117.5
  L1 (Sig) w10: R57.2@3367.5,2150 R10.2@3367.5,2200 U15.1@3450,2200 3450.69,2200 3457.5,2206.81 R11.1@3457.5,2250 3457.5,2272.5 3465,2280 3615,2280 3650,2245 TP15.1@3650,2150 3650,2060 v1(3665,2045) ; R111.1@4525,2432.5 4525,2410 4505,2390 4505,2320 4585,2240 v1(4585,2130) ; U41.1@5714.37,2111.61 5714.37,2116.59 5715.28,2117.5 C93.2@5775,2117.5 ; R76.1@5800,2432.5 5800,2360 5865,2295 v1(5865,2120) ; U42.1@7414.37,2111.61 7467.15,2111.61 7473.03,2117.5 C98.2@7475,2117.5 ; R102.1@7500,2432.5 7500,2350 7565,2285 v1(7565,2120)
  L1 (Sig) w20: C103.2@4500,2117.5 4501.97,2117.5 4508.67,2124.2 4544.68,2124.2 C102.2@4550,2129.53 4550.47,2130 v1(4585,2130)
  L1 (Sig) w25: C93.2@5775,2117.5 5775.3,2117.8 5783.61,2117.8 5789.46,2123.65 5819.12,2123.65 C92.2@5825,2129.53 5825.47,2130 5825.47,2129.78 5831.2,2124.05 5860.95,2124.05 v1(5865,2120) ; C98.2@7475,2117.5 7475.3,2117.8 7483.61,2117.8 7489.46,2123.65 7519.12,2123.65 C97.2@7525,2129.53 7530.47,2124.05 7560.95,2124.05 v1(7565,2120)
  L4 (Sig) w10: v1(3665,2045) 3666.46,2046.46 3666.46,2061.46 3690,2085 4190,2085 4235,2130 v1(4585,2130) 4700,2130 4720,2110 5585,2110 5610,2135 5850,2135 v1(5865,2120) 7250,2120 7270,2140 7455,2140 7475,2120 v1(7565,2120)
+12: C25.2 C26.2 C32.2 C39.2 C47.2 C48.2 C49.2 C53.2 C56.2 C57.2 C63.2 C71.2 C72.2 C75.2 C78.2 C80.2 C83.2 C84.2 C85.2 C89.2 C107.2 C113.2 D34.2 P3.2 R10.1 R54.2 TP7.1 U17.5 U24.8 U25.2 U25.13 U26.8 U27.8 U28.2 U28.14 U29.8 U30.2 U30.14 U31.8 U32.8 U33.8 U34.2 U34.14 U35.13 U36.2 U36.14 U37.8 U38.13 U39.2 U39.14 U40.13 U44.8 | length 16444.7
  L1 (Sig) w6: C83.2@3212.2,2744.7 C83.2@3217.5,2750
  L1 (Sig) w10: U35.13@2962.2,2688.19 2962.2,2744.7 C78.2@2967.5,2750 2967.5,2777.5 v1(2965,2780) ; U38.13@3212.2,2688.19 C83.2@3212.2,2744.7 ; v1(3215,2785) 3217.5,2782.5 C83.2@3217.5,2750 ; U40.13@3462.2,2688.19 3462.2,2744.7 C89.2@3467.5,2750 3466.25,2751.25 3466.25,2778.75 v1(3465,2780) ; v1(3630,2805) 3610,2825 3610,3110 3650,3150 v1(3810,3150) 3827.5,3132.5 C85.2@3850,3132.5 3898.8,3132.5 U37.8@3900,3131.3 ; U36.2@3661.02,2461.81 3661.02,2581.02 3686.61,2606.61 U36.14@3686.61,2688.19 3686.61,2742.15 3692.5,2748.03 C80.2@3692.5,2750 3692.5,2777.5 v1(3695,2780) ; v1(4260,2370) 4258.75,2371.25 4258.75,2398.75 C84.2@4257.5,2400 4257.5,2401.97 4263.39,2407.85 U39.14@4263.39,2461.81 ; C47.2@4775,2392.5 v1(4775,2420) ; U24.8@4775,2468.7 v1(4775,2420) ; C48.2@4850,2757.5 v1(4850,2730) U26.8@4850,2681.3 4850,2620 4815,2585 4815,2435 4800,2420 v1(4775,2420) ; U27.8@5300,2468.7 C49.2@5300,2392.5 v1(5333.75,2392.5) 5367.5,2392.5 5390,2370 v1(5530,2370) 5531.25,2371.25 5531.25,2398.75 C53.2@5532.5,2400 5532.5,2401.97 5538.39,2407.85 U28.14@5538.39,2461.81 5538.39,2543.39 5553.54,2558.54 5554.86,2558.54 5561.31,2565 v1(5565,2565) ; U25.13@5338.19,2962.8 5419.7,2962.8 C39.2@5425,2957.5 5452.5,2957.5 v1(5455,2960) ; U28.2@5563.98,2688.19 5563.98,2636.02 v1(5565,2635) ; v1(5885,3020) 5891.02,3013.98 U30.2@5936.81,3013.98 ; v1(5895,2655) 5896.25,2656.25 5923.75,2656.25 C63.2@5925,2657.5 5951.2,2657.5 5954.05,2660.35 5968.19,2660.35 5975,2667.16 U31.8@5975,2681.3 ; U30.14@6163.19,2988.39 6242.15,2988.39 6248.03,2982.5 C57.2@6250,2982.5 6251.25,2983.75 6278.75,2983.75 v1(6280,2985) ; U29.8@6450,2479.98 C56.2@6450,2392.5 6477.5,2392.5 v1(6478.75,2393.75) v1@6480,2395 ; v1(6520,2760) 6522.5,2757.5 C71.2@6550,2757.5 U32.8@6550,2681.3 ; U33.8@7000,2468.7 7000,2464.31 7006.81,2457.5 C72.2@7050,2457.5 v1(7050,2430) ; v1(7235,2365) 7232.5,2367.5 C75.2@7232.5,2400 7232.5,2401.97 7238.39,2407.85 U34.14@7238.39,2461.81 7238.39,2548.39 v1(7260,2570) ; U34.2@7263.98,2688.19 7263.98,2636.02 v1(7265,2635)
  L1 (Sig) w15: C32.2@1437.5,3795 1437.5,3733.72 U17.5@1436.18,3732.4 C107.2@1498.03,3732.4 ; P3.2@1481.1,4001.57 1477.56,3998.03 D34.2@1477.56,3850 1477.56,3802.44 1498.03,3781.97 C107.2@1498.03,3732.4 ; TP7.1@1632.5,3720 R54.2@1632.5,3850 1632.5,3987.5 1745,4100 1890,4100 1950,4040 1950,3625 1850,3525 1570,3525 1480,3435 1480,3180 1758.35,2901.65 1773.35,2901.65 v1(1775,2900) ; TP7.1@1650,3700 1619.57,3730.43 C107.2@1500,3730.43 C107.2@1498.03,3732.4 ; v1(3320,2275) C25.2@3285.43,2275 3285.43,2266.14 3267.5,2248.21 C26.2@3267.5,2200 R10.1@3332.5,2200 ; C113.2@4050,2392.5 v1(4050,2420) U44.8@4050,2468.7 ; v1(4305,2625) 4288.98,2641.02 U39.2@4288.98,2688.19 4289.35,2688.56 4289.35,2719.35 4304.17,2734.17 4338.55,2734.17 4365,2760.62 v1(4365,2790) ; v1@5055,3015 v1(5056.02,3013.98) U25.2@5111.81,3013.98 ; U29.8@6450,2479.98 6450,2540 6548.58,2638.58 6548.58,2679.88 U32.8@6550,2681.3